# Altium PCB BEAGLEPLAYV020_220915.brd.PcbDoc (part 2 of 12)
Units mm, origin at the board's own origin, x right, y up, seen from the top; angles counter-clockwise.
Board outline 80 x 80 mm, 8 copper layers (TOP, LYR2_GND, LYR3, LAY4_PWR1, LAY5_PWR2, LAY6, LYR7_GND, BOTTOM), stack 1.545 mm thick; 782 components, 546 nets, 2864 pads, 2056 vias.
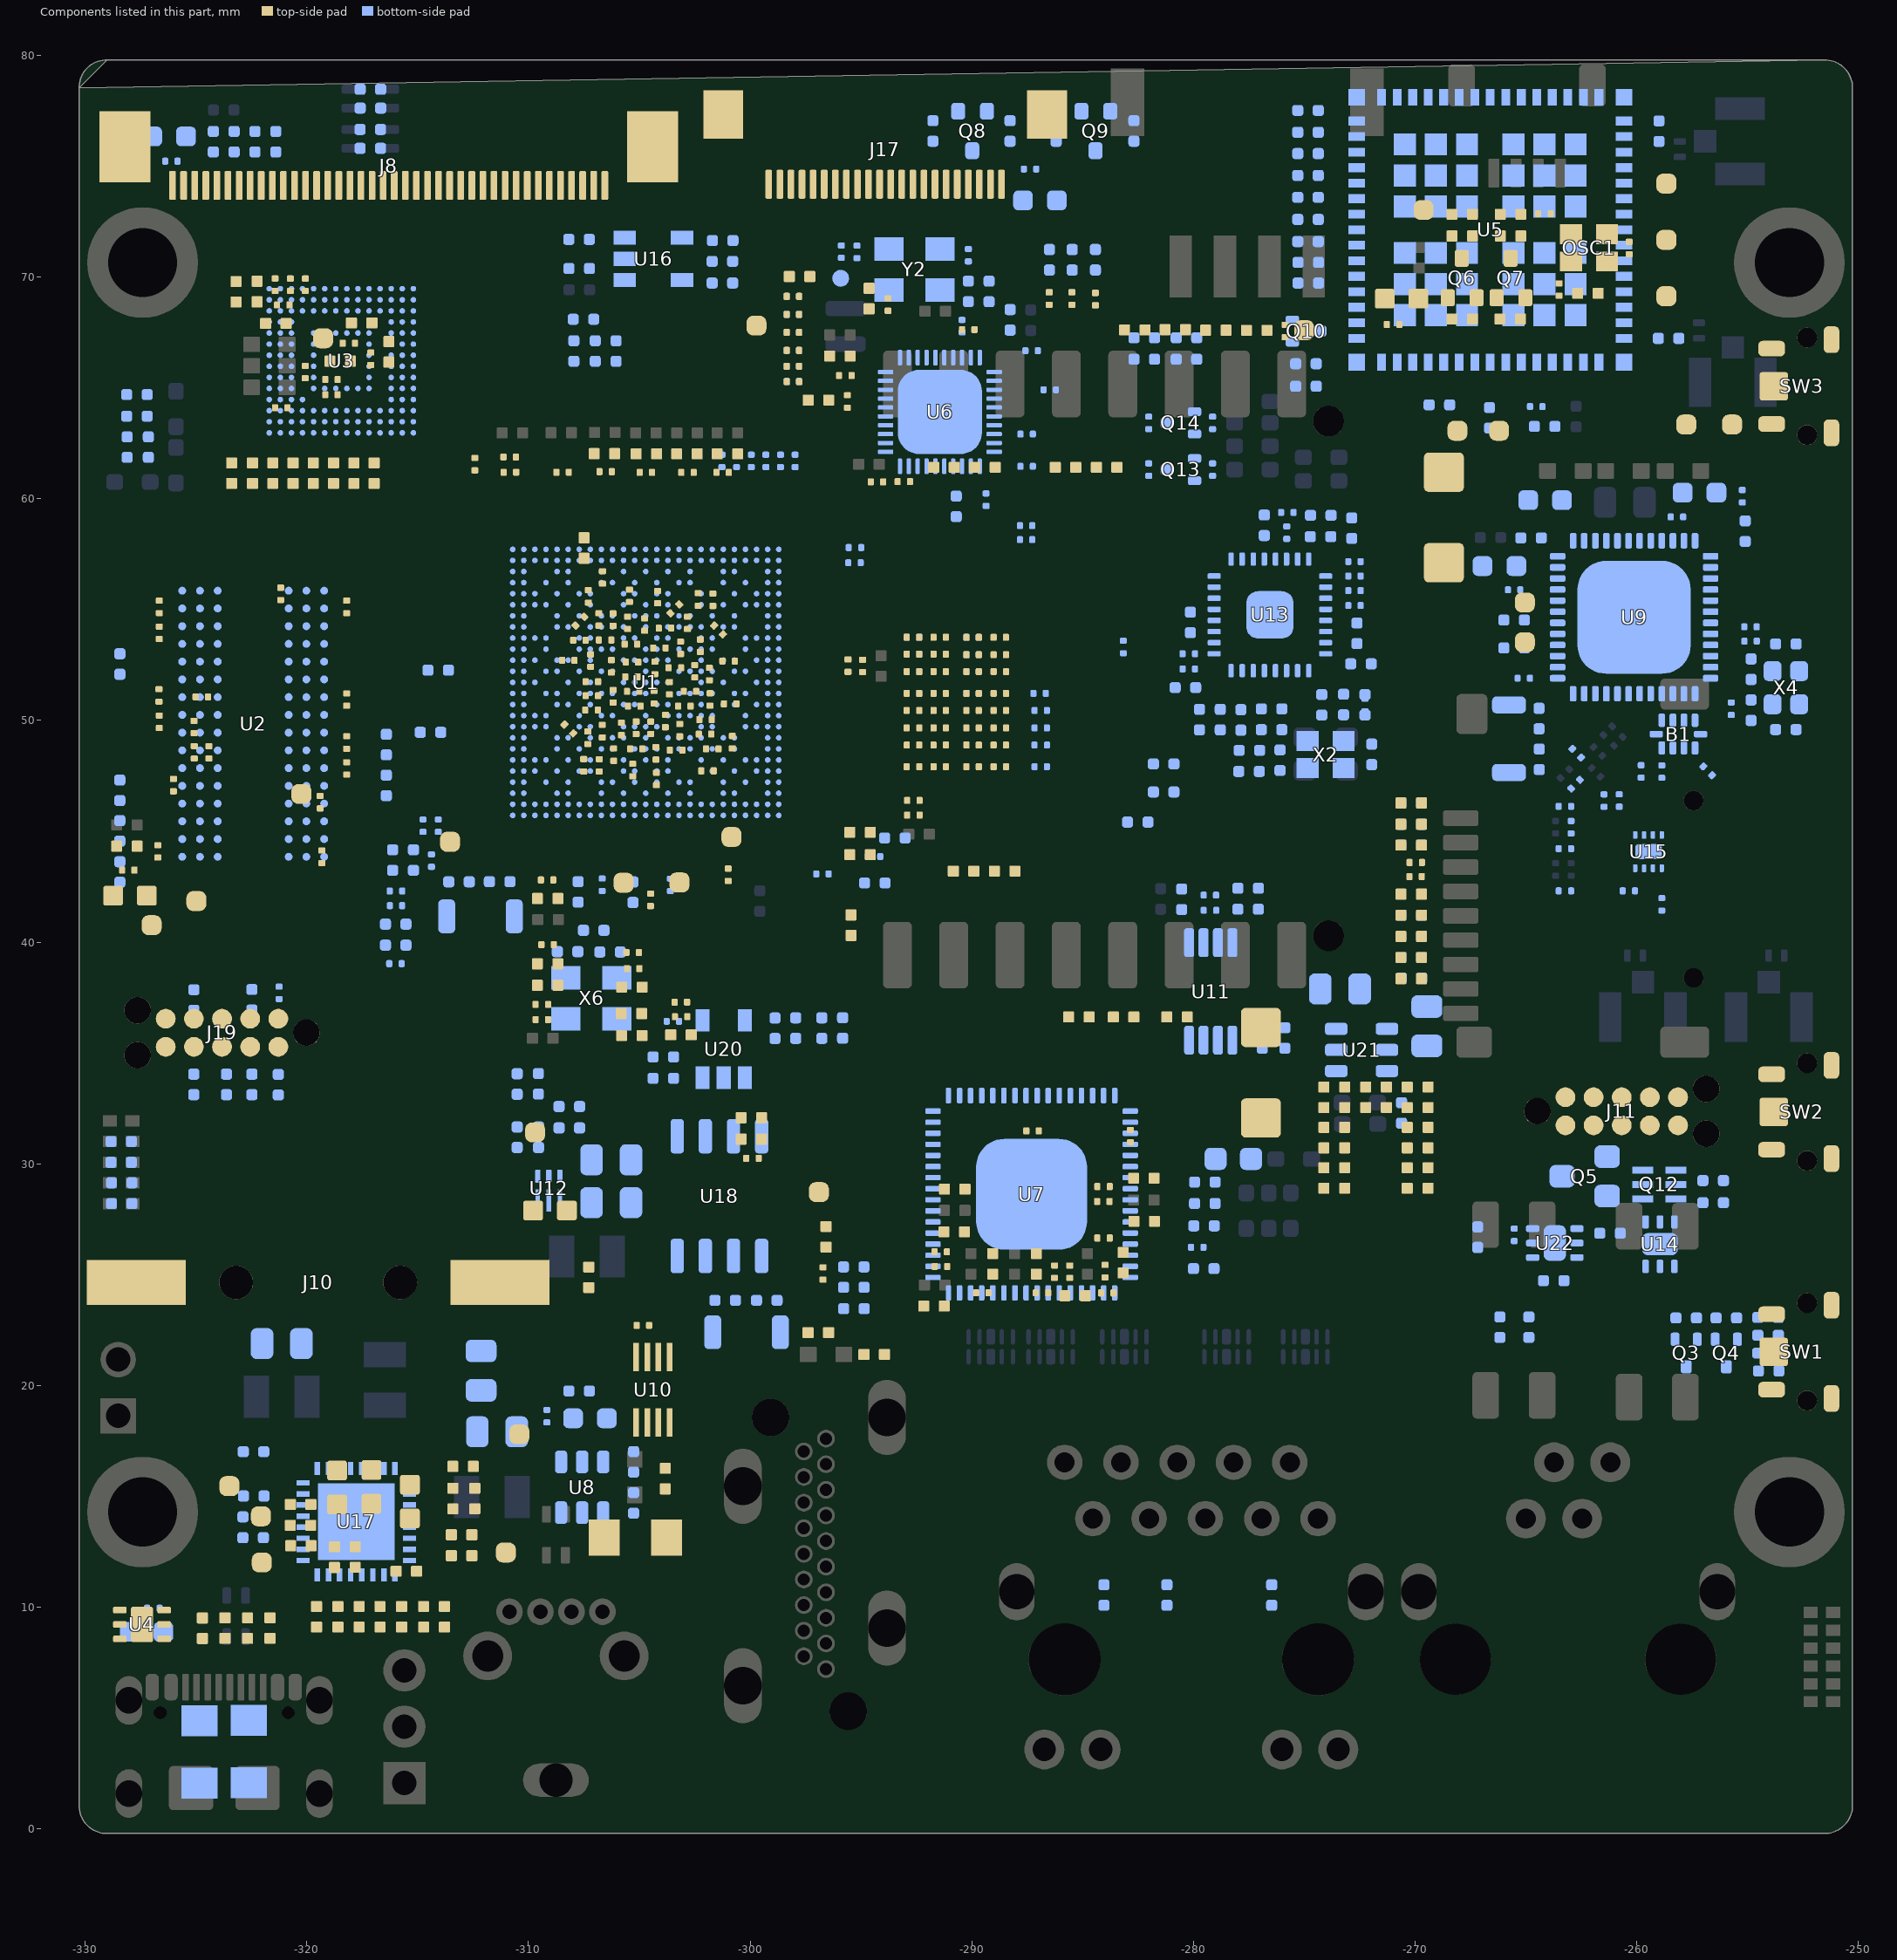
[diagram p8: the components of this part, seen from the top]

## Components (designator, comment, footprint, x,y, rotation, side; value= is the part's Value field where it differs from the comment) (continued)
Q3 "NMOS_123_SOT_523_DISCRETE_DMG1012T-7" SOT_523#1 -257.776,21.47 r180 bottom
Q4 "NMOS_123_SOT_523_DISCRETE_DMG1012T-7" SOT_523#1 -255.967,21.47 r180 bottom
Q5 "PMOS_123_SOT23_DISCRETE_CJ3407" SOT23 -262.42,29.441 r90 bottom
Q6 "NMOS_123_SOT-323-3_DISCRETE_BSS138W" SOT-323-3#1 -267.898,69.957 r0 top
Q7 "NMOS_123_SOT-323-3_DISCRETE_BSS138W" SOT-323-3#1 -265.697,69.957 r0 top
Q8 "NMOS_123_SOT-323-3_DISCRETE_BSS138W" SOT-323-3#2 -289.983,76.59 r0 bottom
Q9 "NMOS_123_SOT-323-3_DISCRETE_BSS138W" SOT-323-3#2 -284.421,76.59 r0 bottom
Q10 "NMOS_123_SOT_523_DISCRETE_DMG1012T-7" SOT_523#2 -274.922,67.564 r90 bottom
Q12 "PNPX2_126_453_SMINI6-F3-B_DISCRETE_BCM857BS-7-F" SMINI6-F3-B -258.992,29.07 r270 bottom
Q13 "NMOS_123_SOT_523_DISCRETE_DMG1012T-7" SOT_523#2 -280.572,61.316 r270 bottom
Q14 "NMOS_123_SOT_523_DISCRETE_DMG1012T-7" SOT_523#2 -280.572,63.424 r270 bottom
R1 "R_R0402_DISCRETE_240R" R0402#1 -328.433,52.548 r270 bottom
R2 "R_R0201_DISCRETE_33R" R0201#1 -324.416,48.565 r90 top
R3 "R_R0201_DISCRETE_33R" R0201#1 -325.077,48.565 r90 top
R4 "R_R0402_DISCRETE_10K" R0402#1 -328.433,43.167 r270 bottom
R5 "R_R0402_DISCRETE_49.9K" R0402#2 -316.963,61.153 r90 top
R6 "R_R0402_DISCRETE_49.9K" R0402#2 -317.877,61.153 r90 top
R7 "R_R0402_DISCRETE_49.9K" R0402#2 -319.706,61.153 r90 top
R8 "R_R0402_DISCRETE_49.9K" R0402#2 -322.449,61.153 r90 top
R9 "R_R0402_DISCRETE_49.9K" R0402#2 -323.389,61.153 r90 top
R10 "R_R0402_DISCRETE_49.9K" R0402#2 -318.792,61.153 r90 top
R11 "R_R0402_DISCRETE_49.9K" R0402#2 -320.621,61.153 r90 top
R12 "R_R0402_DISCRETE_49.9K" R0402#2 -321.535,61.153 r90 top
R13 "R_R0402_DISCRETE_49.9K" R0402#2 -323.193,69.334 r270 top
R14 "R_R0402_DISCRETE_10K" R0402#2 -321.395,67.908 r0 top
R15 "R_R0402_DISCRETE_10K" R0402#2 -318.494,66.207 r0 top
R16 "R_R0201_DISCRETE_33R" R0201#1 -312.42,61.562 r90 top
R17 "R_R0402_DISCRETE_10K" R0402#3 -274.823,69.731 r180 bottom
R18 "R_R0402_DISCRETE_10K" R0402#3 -274.836,71.603 r180 bottom
R19 "R_R0402_DISCRETE_10K" R0402#3 -268.91,64.237 r180 bottom
R20 "R_R0402_DISCRETE_49.9K" R0402#2 -317.524,67.934 r0 top
R21 "R_R0402_DISCRETE_10K" R0402#3 -270.165,38.378 r0 bottom
R22 "R_R0402_DISCRETE_49.9K" R0402#3 -274.836,76.531 r180 bottom
R23 "R_R0402_DISCRETE_10K" R0402#3 -274.836,77.516 r0 bottom
R24 "R_R0402_DISCRETE_10K" R0402#3 -274.836,75.569 r0 bottom
R25 "R_R0402_DISCRETE_10K" R0402#3 -274.836,74.583 r0 bottom
R26 "R_R0402_DISCRETE_10K" R0402#3 -274.836,73.597 r0 bottom
R27 "R_R0402_DISCRETE_10K" R0402#3 -274.836,72.601 r0 bottom
R28 "R_R0402_DISCRETE_10K" R0402#1 -266.649,63.652 r90 bottom
R29 "R_R0402_DISCRETE_10K" R0402#3 -274.93,65.075 r180 bottom
R30 "R_R0402_DISCRETE_0R" R0402#2 -262.209,69.266 r180 top
R31 "R_R0201_DISCRETE_33R" R0201#1 -263.512,69.439 r270 top
R32 "R_R0402_DISCRETE_0R" R0402#2 -297.77,70.025 r0 top
R33 "R_R0402_DISCRETE_2.49K" R0402#1 -288.273,68.071 r270 bottom
R34 "R_R0402_DISCRETE_0R" R0402#1 -276.475,10.554 r90 bottom
R35 "R_R0402_DISCRETE_0R" R0402#1 -286.499,70.78 r270 bottom
R36 "R_R0201_DISCRETE_10K" R0201#2 -279.142,61.316 r90 bottom
R37 "R_R0201_DISCRETE_10K" R0201#2 -282.02,61.316 r90 bottom
R38 "R_R1206_DISCRETE_1M" R1206 -324.837,3.472 r90 bottom
R39 "R_R0402_DISCRETE_1K" R0402#1 -284.041,10.554 r90 bottom
R40 "R_R0402_DISCRETE_1K" R0402#1 -285.474,70.78 r270 bottom
R41 "R_R0201_DISCRETE_4.7K" R0201#3 -298.073,65.979 r0 bottom
R42 "R_R0201_DISCRETE_4.7K" R0201#1 -298.073,65.979 r180 top
R43 "R_R0201_DISCRETE_4.7K" R0201#3 -298.073,66.69 r0 bottom
R44 "R_R0201_DISCRETE_4.7K" R0201#1 -298.073,66.69 r180 top
R45 "R_R0201_DISCRETE_4.7K" R0201#3 -298.073,67.503 r0 bottom
R46 "R_R0201_DISCRETE_4.7K" R0201#1 -298.073,67.503 r180 top
R47 "R_R0201_DISCRETE_4.7K" R0201#3 -298.073,65.293 r0 bottom
R48 "R_R0201_DISCRETE_4.7K" R0201#1 -298.069,65.278 r180 top
R49 "R_R0201_DISCRETE_33R" R0201#2 -299.952,61.708 r270 bottom
R50 "R_R0201_DISCRETE_33R" R0201#2 -299.292,61.708 r270 bottom
R51 "R_R0201_DISCRETE_33R" R0201#2 -298.631,61.708 r270 bottom
R52 "R_R0201_DISCRETE_33R" R0201#2 -297.971,61.708 r270 bottom
R53 "R_R0402_DISCRETE_1K" R0402#3 -327.662,64.699 r0 bottom
R54 "R_R0402_DISCRETE_10K" R0402#2 -316.7,9.574 r90 top
R55 "R_R0402_DISCRETE_100K" R0402#2 -317.64,9.574 r270 top
R56 "R_R0402_DISCRETE_49.9K" R0402#3 -256.559,29.248 r0 bottom
R57 "R_R0201_DISCRETE_33R" R0201#2 -301.273,61.708 r270 bottom
R58 "R_R0201_DISCRETE_33R" R0201#2 -300.613,61.708 r270 bottom
R59 "R_R0402_DISCRETE_49.9K" R0402#3 -256.559,28.25 r0 bottom
R60 "R_R0402_DISCRETE_10K" R0402#1 -270.617,32.297 r90 bottom
R61 "R_R0201_DISCRETE_4.7K" R0201#3 -298.073,69.129 r0 bottom
R62 "R_R0201_DISCRETE_4.7K" R0201#1 -298.073,69.129 r180 top
R63 "R_R0402_DISCRETE_49.9K" R0402#2 -296.926,22.386 r180 top
R64 "R_R0402_DISCRETE_2.2K" R0402#3 -279.491,29.181 r180 bottom
R65 "R_R0402_DISCRETE_2.2K" R0402#3 -279.492,28.216 r180 bottom
R66 "R_R0402_DISCRETE_33K" R0402#3 -279.539,25.277 r0 bottom
R67 "R_R0402_DISCRETE_1K" R0402#3 -277.536,42.432 r180 bottom
R68 "R_R0402_DISCRETE_1K" R0402#1 -275.881,35.678 r270 bottom
R69 "R_R0201_DISCRETE_33R" R0201#3 -286.893,50.451 r0 bottom
R70 "R_R0402_DISCRETE_10K" R0402#2 -303.831,15.804 r90 top
R71 "R_R0201_DISCRETE_33R" R0201#2 -283.17,53.315 r90 bottom
R72 "R_R0201_DISCRETE_33R" R0201#3 -286.893,48.891 r0 bottom
R73 "R_R0402_DISCRETE_10K" R0402#3 -270.18,39.313 r0 bottom
R74 "R_R0402_DISCRETE_10K" R0402#3 -270.18,40.26 r0 bottom
R75 "R_R0402_DISCRETE_10K" R0402#3 -270.18,41.218 r0 bottom
R76 "R_R0402_DISCRETE_10K" R0402#3 -270.18,45.321 r0 bottom
R77 "R_R0402_DISCRETE_10K" R0402#3 -270.18,46.28 r0 bottom
R78 "R_R0402_DISCRETE_10K" R0402#3 -270.18,44.377 r0 bottom
R79 "R_R0201_DISCRETE_33R" R0201#3 -294.411,43.865 r0 bottom
R80 "R_R0201_DISCRETE_33R" R0201#3 -296.741,43.078 r0 bottom
R81 "R_R0402_DISCRETE_1K" R0402#1 -328.433,46.853 r90 bottom
R82 "R_R0402_DISCRETE_10K" R0402#1 -316.412,47.071 r90 bottom
R83 "R_R0402_DISCRETE_1K" R0402#1 -328.433,45.023 r90 bottom
R84 "R_R0402_DISCRETE_2.2K" R0402#1 -316.412,48.913 r90 bottom
R85 "R_R0402_DISCRETE_2.2K" R0402#3 -314.419,49.468 r180 bottom
R86 "R_R0402_DISCRETE_1K" R0402#3 -315.988,39.867 r180 bottom
R87 "R_R0402_DISCRETE_1K" R0402#3 -315.988,40.814 r0 bottom
R88 "R_R0402_DISCRETE_240R" R0402#3 -314.075,52.269 r0 bottom
R89 "R_R0402_DISCRETE_5.6K" R0402#2 -285.344,24.054 r180 top
R90 "R_R0201_DISCRETE_10K" R0201#1 -292.656,53.754 r0 top
R91 "R_R0201_DISCRETE_10K" R0201#1 -291.45,53.754 r0 top
R92 "R_R0201_DISCRETE_10K" R0201#1 -289.965,53.749 r0 top
R93 "R_R0201_DISCRETE_10K" R0201#1 -288.74,53.749 r0 top
R94 "R_R0402_DISCRETE_10K" R0402#3 -307.518,68.097 r0 bottom
R95 "R_R0201_DISCRETE_33R" R0201#3 -295.273,57.799 r180 bottom
R96 "R_R0201_DISCRETE_33R" R0201#3 -287.553,58.79 r180 bottom
R97 "R_R0201_DISCRETE_33R" R0201#3 -287.553,58.155 r180 bottom
R98 "R_R0201_DISCRETE_33R" R0201#2 -275.797,58.472 r270 bottom
R99 "R_R0402_DISCRETE_0R" R0402#1 -274.215,50.709 r90 bottom
R100 "R_R0402_DISCRETE_49.9R" R0402#2 -273.181,33.006 r270 top
R101 "R_R0402_DISCRETE_49.9R" R0402#2 -274.12,33.003 r270 top
R102 "R_R0402_DISCRETE_2K" R0402#2 -269.421,33.006 r270 top
R103 "R_R0402_DISCRETE_2K" R0402#2 -270.361,33.006 r270 top
R104 "R_R0402_DISCRETE_0R" R0402#2 -272.234,33.006 r90 top
R105 "R_R0402_DISCRETE_0R" R0402#2 -271.301,33.006 r270 top
R106 "R_R0402_DISCRETE_0R" R0402#2 -273.181,29.365 r270 top
R107 "R_R0402_DISCRETE_0R" R0402#2 -274.12,29.365 r270 top
R108 "R_R0402_DISCRETE_0R" R0402#2 -270.361,29.365 r270 top
R109 "R_R0402_DISCRETE_0R" R0402#2 -269.421,29.365 r270 top
R110 "R_R0402_DISCRETE_2.2K" R0402#1 -280.14,54.423 r270 bottom
R111 "R_R0402_DISCRETE_2.2K" R0402#3 -274.261,59.255 r180 bottom
R112 "R_R0402_DISCRETE_2.2K" R0402#3 -272.448,52.556 r0 bottom
R113 "R_R0402_DISCRETE_2.2K" R0402#1 -276.809,58.806 r270 bottom
R114 "R_R0402_DISCRETE_2.2K" R0402#1 -279.734,50.043 r90 bottom
R115 "R_R0402_DISCRETE_2.2K" R0402#1 -278.794,50.042 r90 bottom
R116 "R_R0402_DISCRETE_2.2K" R0402#3 -274.269,58.293 r0 bottom
R117 "R_R0402_DISCRETE_100K" R0402#1 -255.114,58.539 r270 bottom
R118 "R_R0402_DISCRETE_1M" R0402#1 -254.849,52.312 r270 bottom
R119 "R_R0402_DISCRETE_0R" R0402#1 -254.849,50.464 r90 bottom
R120 "R_R0402_DISCRETE_0R" R0402#3 -265.537,53.271 r0 bottom
R121 "R_R0402_DISCRETE_0R" R0402#3 -265.538,54.53 r0 bottom
R122 "R_R0402_DISCRETE_10K" R0402#2 -295.046,43.947 r180 top
R123 "R_R0402_DISCRETE_0R" R0402#2 -312.42,14.91 r90 top
R124 "R_R0402_DISCRETE_15K" R0402#2 -313.411,14.91 r270 top
R125 "R_R0402_DISCRETE_10K" R0402#3 -280.32,67.259 r0 bottom
R126 "R_R0402_DISCRETE_10K" R0402#1 -305.286,42.255 r270 bottom
R127 "R_R0402_DISCRETE_0R" R0402#3 -307.059,40.534 r0 bottom
R128 "R_R0402_DISCRETE_5.1K" R0402#2 -321.662,9.066 r90 top
R129 "R_R0402_DISCRETE_5.1K" R0402#2 -324.71,9.056 r90 top
R130 "R_R0402_DISCRETE_499R" R0402#2 -307.492,57.777 r90 top
R131 "R_R0402_DISCRETE_499R" R0402#1 -307.953,66.665 r270 bottom
R132 "R_R0402_DISCRETE_20K" R0402#1 -306.048,66.665 r270 bottom
R133 "R_R0402_DISCRETE_1K" R0402#3 -307.716,19.758 r180 bottom
R134 "R_R0402_DISCRETE_10K" R0402#1 -295.83,36.133 r270 bottom
R135 "R_R0402_DISCRETE_0R" R0402#3 -282.515,45.416 r0 bottom
R136 "R_R0402_DISCRETE_20K" R0402#1 -305.257,14.707 r90 bottom
R137 "R_R0402_DISCRETE_10K" R0402#1 -310.511,31.202 r90 bottom
R138 "R_R0402_DISCRETE_10K" R0402#1 -309.546,31.201 r90 bottom
R139 "R_R0402_DISCRETE_100K" R0402#1 -309.553,33.612 r270 bottom
R140 "R_R0402_DISCRETE_10K" R0402#2 -277.149,67.601 r180 top
R141 "R_R0402_DISCRETE_11K" R0402#1 -310.511,33.605 r90 bottom
R142 "R_R0402_DISCRETE_10K" R0402#2 -282.651,67.619 r0 top
R143 "R_R0402_DISCRETE_10K" R0402#3 -303.917,33.862 r0 bottom
R144 "R_R0402_DISCRETE_10K" R0402#3 -303.916,34.827 r0 bottom
R145 "R_R0201_DISCRETE_33R" R0201#3 -295.294,57.113 r180 bottom
R146 "R_R0402_DISCRETE_10K" R0402#3 -295.328,25.353 r0 bottom
R147 "R_R0402_DISCRETE_10K" R0402#3 -295.325,24.431 r180 bottom
R148 "R_R0402_DISCRETE_10K" R0402#1 -296.77,36.124 r270 bottom
R149 "R_R0402_DISCRETE_0R" R0402#2 -295.046,44.957 r0 top
R150 "R_R0402_DISCRETE_10K" R0402#3 -279.527,27.203 r180 bottom
R151 "R_R0402_DISCRETE_10K" R0402#1 -323.625,33.585 r270 bottom
R152 "R_R0402_DISCRETE_10K" R0402#1 -305.257,16.561 r270 bottom
R153 "R_R0402_DISCRETE_499R" R0402#1 -306.988,66.665 r270 bottom
R154 "R_R0402_DISCRETE_10K" R0402#1 -325.091,37.394 r90 bottom
R155 "R_R0402_DISCRETE_10K" R0402#1 -322.475,37.404 r90 bottom
R156 "R_R0402_DISCRETE_10K" R0402#1 -321.288,33.573 r270 bottom
R157 "R_R0402_DISCRETE_10K" R0402#1 -325.098,33.585 r270 bottom
R158 "R_R0402_DISCRETE_10K" R0402#1 -322.475,33.585 r90 bottom
R159 "R_R0402_DISCRETE_10K" R0402#2 -320.269,12.776 r180 top
R160 "R_R0402_DISCRETE_10K" R0402#2 -315.722,9.576 r90 top
R161 "R_R0402_DISCRETE_10K" R0402#3 -322.402,17.018 r0 bottom
R162 "R_R0402_DISCRETE_10K" R0402#2 -299.949,31.115 r180 top
R163 "R_R0402_DISCRETE_0R" R0402#2 -299.949,32.08 r180 top
R164 "R_R0402_DISCRETE_1K" R0402#1 -281.2,10.554 r90 bottom
R165 "R_R0402_DISCRETE_1K" R0402#1 -284.427,70.78 r270 bottom
R166 "R_R0402_DISCRETE_2.2K" R0402#3 -257.776,23.053 r180 bottom
R167 "R_R0402_DISCRETE_2.2K" R0402#3 -255.967,23.053 r180 bottom
R168 "R_R0402_DISCRETE_10K" R0402#1 -327.148,62.33 r270 bottom
R169 "R_R0402_DISCRETE_10K" R0402#1 -286.196,76.59 r90 bottom
R170 "R_R0201_DISCRETE_10K" R0201#1 -289.965,52.967 r0 top
R171 "R_R0201_DISCRETE_10K" R0201#1 -292.656,52.992 r0 top
R172 "R_R0201_DISCRETE_10K" R0201#1 -292.656,52.205 r0 top
R173 "R_R0201_DISCRETE_10K" R0201#1 -289.965,52.205 r0 top
R174 "R_R0201_DISCRETE_10K" R0201#1 -292.656,51.223 r0 top
R175 "R_R0201_DISCRETE_10K" R0201#1 -289.965,51.223 r0 top
R176 "R_R0201_DISCRETE_10K" R0201#1 -292.656,49.664 r0 top
R177 "R_R0201_DISCRETE_10K" R0201#1 -292.656,48.891 r0 top
R178 "R_R0201_DISCRETE_10K" R0201#1 -292.656,50.451 r0 top
R179 "R_R0201_DISCRETE_10K" R0201#1 -289.965,50.451 r0 top
R180 "R_R0201_DISCRETE_10K" R0201#1 -289.965,48.891 r0 top
R181 "R_R0201_DISCRETE_10K" R0201#1 -289.965,49.664 r0 top
R182 "R_R0201_DISCRETE_10K" R0201#1 -292.656,47.914 r0 top
R183 "R_R0201_DISCRETE_10K" R0201#1 -289.965,47.914 r0 top
R184 "R_R0402_DISCRETE_1K" R0402#1 -328.106,62.33 r90 bottom
R185 "R_R0402_DISCRETE_1K" R0402#3 -327.662,63.725 r0 bottom
R186 "R_R0402_DISCRETE_10K" R0402#2 -267.877,68.112 r0 top
R187 "R_R0201_DISCRETE_10K" R0201#1 -288.74,52.967 r0 top
R188 "R_R0201_DISCRETE_10K" R0201#1 -291.45,52.992 r0 top
R189 "R_R0201_DISCRETE_10K" R0201#1 -291.45,52.205 r0 top
R190 "R_R0201_DISCRETE_10K" R0201#1 -288.74,52.205 r0 top
R191 "R_R0201_DISCRETE_10K" R0201#1 -291.45,51.223 r0 top
R192 "R_R0201_DISCRETE_10K" R0201#1 -288.74,51.223 r0 top
R193 "R_R0201_DISCRETE_10K" R0201#1 -291.45,49.664 r0 top
R194 "R_R0201_DISCRETE_10K" R0201#1 -291.45,48.891 r0 top
R195 "R_R0201_DISCRETE_10K" R0201#1 -291.45,50.451 r0 top
R196 "R_R0201_DISCRETE_10K" R0201#1 -288.74,50.451 r0 top
R197 "R_R0201_DISCRETE_10K" R0201#1 -288.74,48.891 r0 top
R198 "R_R0201_DISCRETE_10K" R0201#1 -288.74,49.664 r0 top
R199 "R_R0201_DISCRETE_10K" R0201#1 -291.45,47.914 r0 top
R200 "R_R0201_DISCRETE_10K" R0201#1 -288.74,47.914 r0 top
R201 "R_R0402_DISCRETE_1K" R0402#3 -293.472,44.703 r0 bottom
R202 "R_R0402_DISCRETE_1K" R0402#3 -328.372,31.01 r180 bottom
R203 "R_R0402_DISCRETE_1K" R0402#3 -328.373,30.07 r180 bottom
R204 "R_R0402_DISCRETE_1K" R0402#3 -328.349,29.148 r180 bottom
R205 "R_R0402_DISCRETE_1K" R0402#3 -328.35,28.208 r180 bottom
R206 "R_R0402_DISCRETE_1K" R0402#3 -254.056,20.663 r0 bottom
R207 "R_R0402_DISCRETE_10K" R0402#3 -263.754,24.736 r0 bottom
R208 "R_R0402_DISCRETE_10K" R0402#3 -282.225,67.259 r180 bottom
R209 "R_R0402_DISCRETE_10K" R0402#1 -297.946,36.124 r270 bottom
R210 "R_R0402_DISCRETE_10K" R0402#3 -307.719,71.7 r0 bottom
R211 "R_R0402_DISCRETE_100K" R0402#3 -301.253,70.71 r0 bottom
R212 "R_R0402_DISCRETE_120K" R0402#3 -301.238,71.649 r0 bottom
R213 "R_R0402_DISCRETE_10K" R0402#1 -298.878,36.119 r90 bottom
R214 "R_R0402_DISCRETE_10K" R0402#2 -318.596,9.574 r270 top
R215 "R_R0402_DISCRETE_10K" R0402#2 -319.561,9.573 r270 top
R216 "R_R0201_DISCRETE_33R" R0201#3 -289.965,52.205 r180 bottom
R217 "R_R0201_DISCRETE_33R" R0201#2 -306.676,42.591 r90 bottom
R218 "R_R0402_DISCRETE_10K" R0402#3 -274.823,70.661 r180 bottom
R219 "R_R0402_DISCRETE_0R" R0402#3 -317.135,75.808 r180 bottom
R220 "R_R0402_DISCRETE_0R" R0402#1 -272.266,50.707 r270 bottom
R221 "R_R0402_DISCRETE_0R" R0402#1 -273.231,50.721 r270 bottom
R222 "R_R0402_DISCRETE_0R" R0402#1 -271.961,48.473 r270 bottom
R223 "R_R0402_DISCRETE_0R" R0402#1 -277.863,50.027 r90 bottom
R224 "R_R0402_DISCRETE_33R" R0402#3 -276.481,49.584 r0 bottom
R225 "R_R0402_DISCRETE_0R" R0402#3 -317.135,76.658 r180 bottom
R226 "R_R0402_DISCRETE_10K" R0402#2 -265.712,68.112 r0 top
R227 "R_R0402_DISCRETE_0R" R0402#1 -307.759,42.267 r90 bottom
R228 "R_R0402_DISCRETE_10K" R0402#2 -312.953,16.358 r180 top
R229 "R_R0402_DISCRETE_0R" R0402#1 -289.223,69.352 r270 bottom
R230 "R_R0201_DISCRETE_33R" R0201#3 -289.965,53.749 r180 bottom
R231 "R_R0402_DISCRETE_0R" R0402#3 -277.481,48.654 r180 bottom
R232 "R_R0402_DISCRETE_10K" R0402#1 -288.277,76.59 r270 bottom
R233 "R_R0402_DISCRETE_10K" R0402#1 -282.689,76.59 r270 bottom
R234 "R_R0402_DISCRETE_10K" R0402#3 -281.347,46.774 r180 bottom
R235 "R_R0402_DISCRETE_10K" R0402#3 -281.347,48.041 r180 bottom
R236 "R_R0402_DISCRETE_1K" R0402#3 -254.082,21.467 r0 bottom
R237 "R_R0402_DISCRETE_1K" R0402#3 -254.082,22.27 r0 bottom
R238 "R_R0402_DISCRETE_1K" R0402#3 -254.082,23.074 r0 bottom
R239 "R_R0402_DISCRETE_2.2K" R0402#3 -274.93,66.091 r180 bottom
R240 "R_R0402_DISCRETE_10K" R0402#1 -322.339,76.107 r270 bottom
R241 "R_R0402_DISCRETE_10K" R0402#1 -321.399,76.107 r270 bottom
R242 "R_R0402_DISCRETE_10K" R0402#1 -323.279,76.107 r270 bottom
R243 "R_R0402_DISCRETE_10K" R0402#1 -324.218,76.107 r270 bottom
R244 "R_R0201_DISCRETE_33R" R0201#2 -303.601,42.587 r270 bottom
R245 "R_R0201_DISCRETE_33R" R0201#3 -286.893,49.664 r0 bottom
R246 "R_R0201_DISCRETE_33R" R0201#3 -286.944,51.223 r0 bottom
R247 "R_R0201_DISCRETE_33R" R0201#3 -286.893,47.914 r0 bottom
R248 "R_R0402_DISCRETE_0R" R0402#1 -290.158,69.358 r90 bottom
R249 "R_R0201_DISCRETE_4.7K" R0201#3 -298.073,68.316 r0 bottom
R250 "R_R0402_DISCRETE_10K" R0402#1 -291.757,76.59 r90 bottom
R251 "R_R0402_DISCRETE_10K" R0402#3 -294.378,42.672 r0 bottom
R252 "R_R0201_DISCRETE_4.7K" R0201#1 -298.073,68.316 r180 top
R253 "R_R0201_DISCRETE_4.7K" R0201#2 -286.512,69.032 r270 bottom
R254 "R_R0402_DISCRETE_10K" R0402#2 -265.697,71.853 r0 top
R255 "R_R0402_DISCRETE_10K" R0402#2 -267.877,71.853 r180 top
R256 "R_R0402_DISCRETE_10K" R0402#3 -295.32,23.47 r180 bottom
R257 "R_R0402_DISCRETE_2.2K" R0402#2 -282.224,27.407 r180 top
R258 "R_R0201_DISCRETE_33R" R0201#1 -283.888,24.181 r180 top
R259 "R_R0201_DISCRETE_10K" R0201#2 -279.142,63.424 r90 bottom
R260 "R_R0402_DISCRETE_560K" R0402#3 -308.157,31.623 r0 bottom
R261 "R_R0402_DISCRETE_124K" R0402#3 -308.158,32.588 r0 bottom
R262 "R_R0201_DISCRETE_10K" R0201#2 -282.02,63.424 r270 bottom
R263 "R_R0402_DISCRETE_2.2K" R0402#1 -290.703,59.658 r270 bottom
R264 "R_R0402_DISCRETE_0R" R0402#3 -317.131,78.472 r180 bottom
R265 "R_R0402_DISCRETE_0R" R0402#3 -317.131,77.622 r180 bottom
R266 "R_R0201_DISCRETE_33R" R0201#3 -292.656,52.205 r180 bottom
R267 "R_R0201_DISCRETE_33R" R0201#3 -292.656,52.992 r180 bottom
R268 "R_R0201_DISCRETE_33R" R0201#3 -289.965,52.967 r180 bottom
R269 "R_R0201_DISCRETE_33R" R0201#3 -292.656,53.754 r180 bottom
R270 "R_R0201_DISCRETE_33R" R0201#3 -292.656,51.223 r180 bottom
R271 "R_R0201_DISCRETE_33R" R0201#3 -289.965,51.223 r180 bottom
R272 "R_R0402_DISCRETE_12K" R0402#3 -277.495,47.701 r180 bottom
R273 "R_R0201_DISCRETE_33R" R0201#1 -300.991,43.042 r270 top
R274 "R_R0201_DISCRETE_33R" R0201#1 -304.495,41.91 r270 top
R275 "R_R0402_DISCRETE_10K" R0402#1 -276.1,48.209 r90 bottom
R276 "R_R0402_DISCRETE_390K" R0402#3 -261.214,26.873 r0 bottom
R277 "R_R0201_DISCRETE_0R" R0201#2 -295.885,71.145 r90 bottom
R278 "R_R0402_DISCRETE_100K" R0402#1 -267.183,26.695 r270 bottom
R283 "R_R0201_DISCRETE_4.7K" R0201#1 -286.512,69.032 r270 top
R308 "R_R0201_DISCRETE_4.7K" R0201#2 -285.486,69.032 r270 bottom
R309 "R_R0201_DISCRETE_4.7K" R0201#1 -285.486,69.032 r270 top
R310 "R_R0201_DISCRETE_4.7K" R0201#2 -284.429,69.007 r270 bottom
R311 "R_R0201_DISCRETE_4.7K" R0201#1 -284.429,69.007 r270 top
SW1 "TACTILE SWITCH_2+3P_BUTTON2_3P_4D55X2D3X1D88MM_DISCRETE_TS23M-BN-PT-PF" BUTTON2_3P_4D55X2D3X1D88MM -252.197,21.521 r270 top
SW2 "TACTILE SWITCH_2+3P_BUTTON2_3P_4D55X2D3X1D88MM_DISCRETE_TS23M-BN-PT-PF" BUTTON2_3P_4D55X2D3X1D88MM -252.197,32.342 r270 top
SW3 "TACTILE SWITCH_2+3P_BUTTON2_3P_4D55X2D3X1D88MM_DISCRETE_TS23M-BN-PT-PF" BUTTON2_3P_4D55X2D3X1D88MM -252.197,65.075 r270 top
TP1 "TEST POINT_TP35S_SMD_DISCRETE_TEST POINT" TP35S_SMD -319.266,67.237 r270 top
TP2 "TEST POINT_TP35S_SMD_DISCRETE_TEST POINT" TP35S_SMD -300.843,44.744 r90 top
TP3 "TEST POINT_TP35S_SMD_DISCRETE_TEST POINT" TP35S_SMD -305.709,42.682 r270 top
TP4 "TEST POINT_TP35S_SMD_DISCRETE_TEST POINT" TP35S_SMD -268.097,63.068 r180 top